# Allegro board LAY-29615_B4.brd (continued)
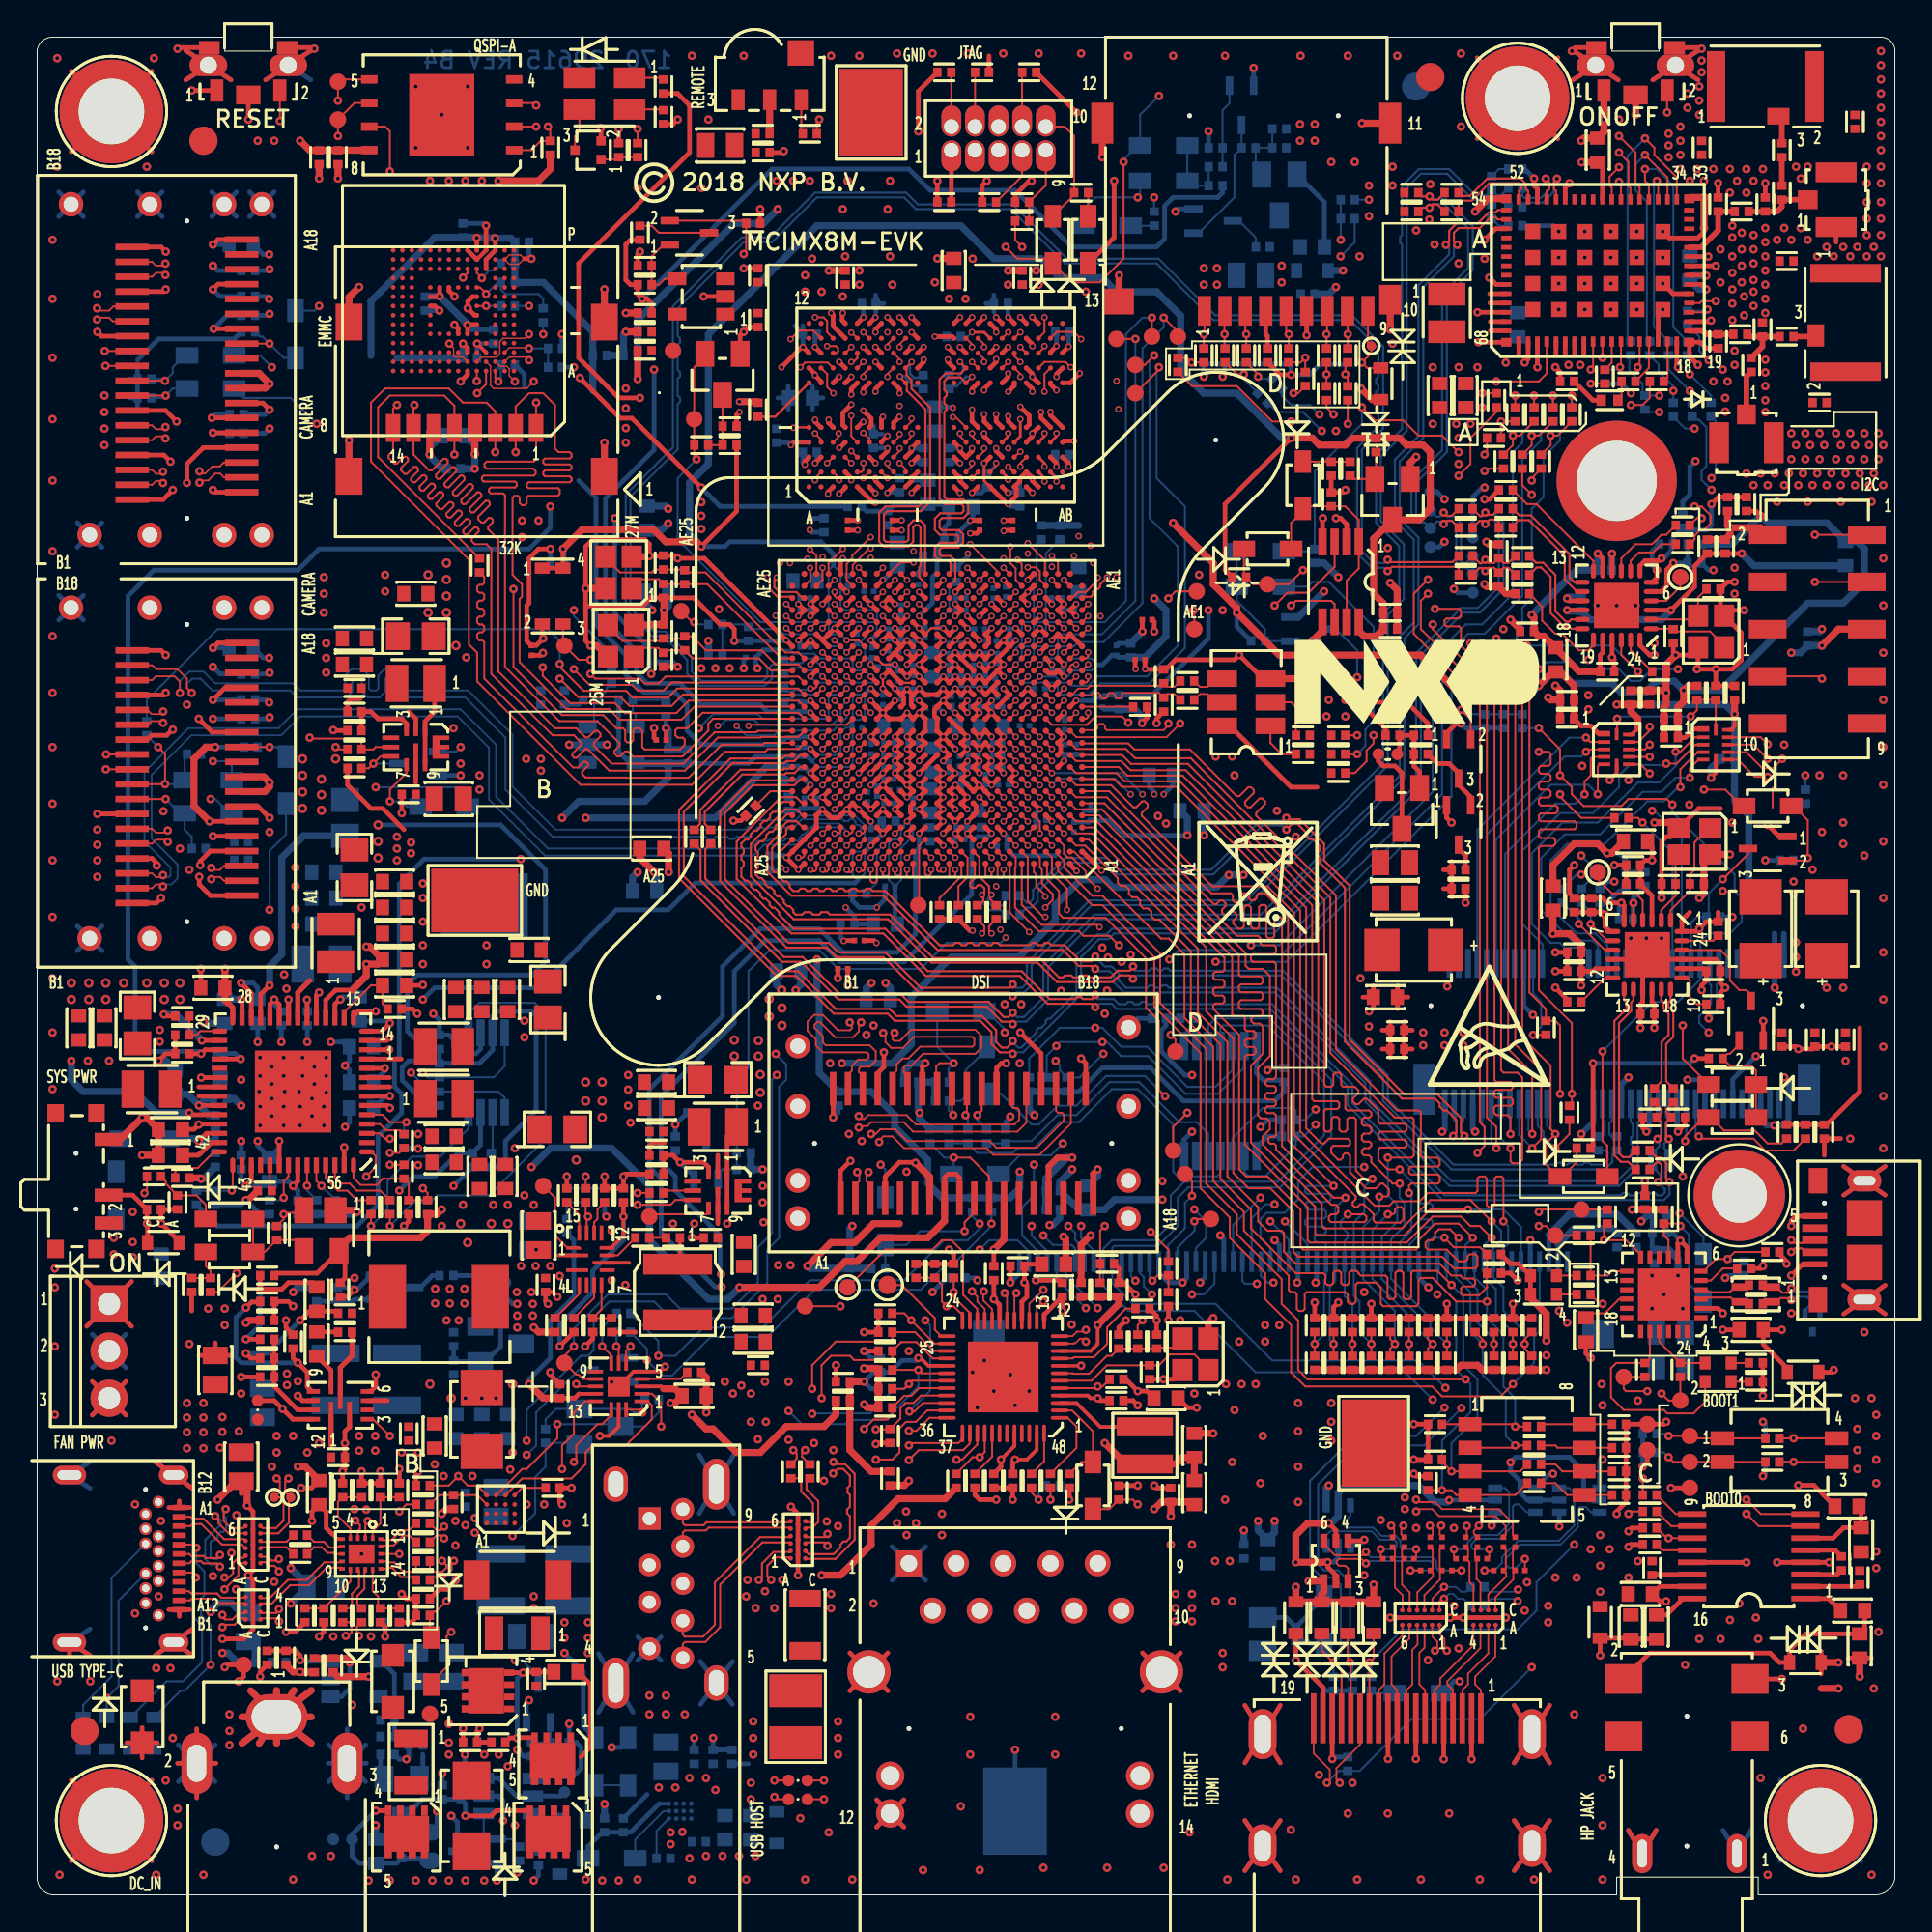
[diagram p0: board, top side]
## Routing (per net, layer and track width the routed paths; a pad name or vN(x,y) marks a point on that pad's centre or on a via; arc(x,y) is an arc through that point) (continued)
  BOTTOM w0.107: D1510.C 45.66,39.05 v1(45.4,39.31)
SPDIF_EXT_CLK: length 27.7
  TOP w0.107: U101.E6 v2(53.32,57.78) ; v1(59.94,35.68) 60.9,34.73 R1802.2
  L8_INT_3 w0.076: v2(53.32,57.78) 53.32,57.64 53.65,57.32 53.65,56.2 54.16,55.69 54.32,55.69 57.12,52.89 57.59,52.89 59.45,51.04 59.45,49.14 59.75,48.83 59.75,35.87 v1(59.94,35.68)
SPDIF_RX: length 32.1
  TOP w0.107: U101.G6 v2(53.32,59.08)
  L8_INT_3 w0.076: v2(53.32,59.08) 53.32,58.94 53.65,58.61 53.65,58.3 54.49,57.46 54.75,57.46 54.95,57.27 54.95,56.94 60.13,51.75 60.13,49.72 60.51,49.34 60.51,43.88 61.28,43.12 61.28,42.73 60.9,42.35 60.9,38.92 61.02,38.8 61.02,34.96 v1(59.12,33.06)
  BOTTOM w0.107: J1801.48 58.88,33.3 v1(59.12,33.06)
SPDIF_TX: length 35
  TOP w0.107: U101.F6 v2(53.32,58.43)
  L8_INT_3 w0.076: v1(60.01,32.32) 59.49,31.81 59,31.81 58.61,32.19 58.61,33.34 60.51,35.24 60.51,35.88 60.13,36.26 60.13,39.05 60.51,39.43 60.51,42.48 60.13,42.86 60.13,49.08 59.78,49.44 59.78,51.47 57.59,53.66 56.83,53.66 54.3,56.19 54.3,57.27 53.32,58.24 v2(53.32,58.43)
  BOTTOM w0.107: v1(60.01,32.32) 59.58,32.75 59.58,33.26 59.38,33.46 J1801.47
SSRXN1: length 19.7
  TOP w0.109: U903.A2 11.16,15.17 10.86,15.17 10.51,14.83 10.1,14.83 9.97,14.96 v1(9.97,15.07)
  L8_INT_3 w0.089: J901.B10 5.4,20.13 4.64,20.13 4,19.49 4,19.18 4.13,19.06 4.13,18.75 4,18.62 4,18.31 4.13,18.18 4.13,17.87 4,17.74 4,17.43 4.13,17.31 4.13,17 4,16.87 4,16.56 4.13,16.43 4.13,16.12 4,16 4,12.89 5.4,11.49 7.45,11.49 9.09,13.12 9.09,14.39 9.48,14.79 9.75,14.79 9.97,15.01 v1(9.97,15.07)
SSRXN2: length 3.7
  TOP w0.109: U903.A4 11.18,15.99 9.91,15.99 9.68,16.23 8.29,16.23 8.16,16.35 J901.A10
SSRXP1: length 19.8
  TOP w0.109: v1(9.97,14.41) 10.1,14.54 10.63,14.54 10.98,14.89 11.16,14.89 U903.A1
  L8_INT_3 w0.089: v1(9.97,14.41) 9.84,14.54 9.59,14.54 9.33,14.29 9.33,13.02 7.56,11.24 5.3,11.24 3.75,12.79 3.75,19.6 4.54,20.38 5.72,20.38 J901.B11
SSRXP2: length 3.7
  TOP w0.109: U903.A3 11.14,15.71 9.8,15.71 9.56,15.94 8.32,15.94 8.23,15.85 J901.A11
SSTXN1: length 4.2
  TOP w0.109: U902.A3 11.02,18.86 9.94,18.86 8.84,19.96 8.35,19.96 8.25,19.85 7.65,19.85 J901.A3
SSTXN2: length 15.5
  TOP w0.109: U902.A1 10.94,17.86 10.83,17.75 10.83,17.2 v1(10.08,16.45)
  L8_INT_3 w0.089: v1(10.08,16.45) 8.95,16.45 8.7,16.19 8.7,13.27 8.06,12.64 5.02,12.64 4.51,13.14 4.51,16.04 4.92,16.45 5.79,16.45 J901.B3
SSTXP1: length 4.1
  TOP w0.109: J901.A2 8.25,20.35 8.35,20.25 8.96,20.25 10.06,19.15 11.14,19.15 11.22,19.07 U902.A4
SSTXP2: length 15.5
  TOP w0.109: v1(10.08,17.08) 10.31,17.08 10.55,17.31 10.55,17.87 10.82,18.15 11.11,18.15 11.22,18.26 U902.A2
  L8_INT_3 w0.089: J901.B2 5.34,16.2 5.02,16.2 4.76,15.94 4.76,15.48 4.89,15.35 4.89,15.18 4.76,15.05 4.76,14.86 4.89,14.73 4.89,14.54 4.76,14.41 4.76,14.16 4.89,14.03 4.89,13.78 4.76,13.65 4.76,13.24 5.12,12.88 7.96,12.88 8.45,13.37 8.45,14.54 8.32,14.67 8.32,14.87 8.45,15 8.45,15.42 8.32,15.56 8.32,15.74 8.45,15.88 8.45,16.3 8.85,16.69 9.7,16.69 v1(10.08,17.08)
SYS_NRST: length 65.8
  TOP w0.107: R713.1 5.91,37.91 v1(5.78,37.78) ; SW1702.2 v1(13.07,95.49)
  L6_INT_2 w0.076: v1(13.07,95.49) 13.52,95.03 13.52,90.61 10.86,87.95 10.86,86.68 5.27,81.09 5.27,77.41 4.63,76.77 4.63,63.05 5.14,62.55 5.14,50.86 6.39,49.62 6.39,47.21 6.62,46.98 6.79,46.98 7.05,46.72 7.05,44.64 6.29,43.88 6.29,38.28 v1(5.78,37.78)
TCPC_NINT: length 46
  TOP w0.107: U907.10 29.38,27.77 29.15,28 29.02,28 TP901.1 28.38,29.02 v1(28.89,29.53) ; U101.F21 v2(42.93,58.43)
  L6_INT_2 w0.076: v2(42.93,58.43) 42.54,58.05 40.91,58.05 38.16,55.31 38.16,46.8 38.34,46.62 38.34,44.92 38.62,44.64 39.18,44.64 39.69,44.13 v1(39.81,44.13)
  BOTTOM w0.107: v1(28.89,29.53) 28.89,30.49 30.73,32.32 33.84,32.32 34.61,31.56 37.4,31.56 38.8,32.96 38.8,34.86 39.56,35.62 39.56,43.88 v1(39.81,44.13)
TEST_MODE: length 7.3
  TOP w0.107: U101.V7 v2(52.67,66.88)
  BOTTOM w0.102: R417.1 53.81,72.74 53.81,70.57 53.65,70.42 53.65,68.66 53.5,68.51 53.14,68.51 53,68.37 53,67.4 52.67,67.08 v2(52.67,66.88)
UART1_RXD: length 46.5
  TOP w0.107: v1(80.83,36) 81.22,36 TP1703.1 R1714.2 ; U101.C7 v2(52.67,56.48)
  L6_INT_2 w0.076: v2(52.67,56.48) 52.67,55.66 53,55.33 53,51.65 53.78,50.86 53.78,47.43 55.31,45.91 55.31,44.51 56.02,43.8 59.68,43.8 60.51,44.64 63.31,44.64 68.26,39.69 69.02,39.69 73.85,34.86 78.55,34.86 79.69,36 v1(80.83,36)
UART1_RXD_MCU: length 4.2
  TOP w0.107: R1714.1 R1707.1 84.54,33.34 84.77,33.57 U1701.13
UART1_TXD: length 45.1
  TOP w0.107: R1715.2 84.51,36.89 TP1702.1 80.96,36.89 v1(80.83,36.77) ; U101.A7 52.35,52.88 v2(53.4,51.83)
  L6_INT_2 w0.076: v2(53.4,51.83) 54.16,51.07 54.16,47.69 55.69,46.16 55.69,44.77 56.35,44.11 59.47,44.11 60.39,45.02 63.56,45.02 68.39,40.19 72.83,40.19 75.63,37.4 80.2,37.4 v1(80.83,36.77)
UART1_TXD_MCU: length 7.7
  TOP w0.107: R1708.1 84.13,31.81 v1(84.26,31.81) ; R1715.1 84.34,35.96 v1(84.34,35.24) 85.53,35.24 86.32,34.46 U1701.12
  L6_INT_2 w0.076: v1(84.26,31.81) 84.34,31.89 v1(84.34,35.24)
UART2_RXD: length 57.9
  TOP w0.107: U101.B6 53.33,55.83 53.33,53.48 54.16,52.64 v2(54.27,52.64) ; v1(87.44,26.99) 87.82,26.61 TP1706.1 R1712.2
  L6_INT_2 w0.076: v1(87.44,26.99) 87.44,27.11 83.76,30.8 83.76,37.15 82.49,38.42 76.14,38.42 73.6,40.96 68.64,40.96 63.82,45.78 60.26,45.78 59.24,44.77 57.21,44.77 56.96,45.02 56.96,45.53 56.5,45.99 56.5,47.26 55.69,48.07 55.69,51.22 v2(54.27,52.64)
UART2_RXD_CPU: length 3.5
  TOP w0.107: D1702.4 88.46,28.63 R1712.1 87.32,29.77 U1701.21
UART2_TXD: length 59.6
  TOP w0.107: U101.D6 v2(52.67,57.13) ; R1713.2 85.41,27.88 TP1705.1 85.41,27.24 85.53,27.11 v1(86.68,27.11)
  L6_INT_2 w0.076: v2(52.67,57.13) 52.67,56.94 53,56.62 53,56.6 53,56.6 53,55.97 53.4,55.56 53.4,52.39 54.55,51.24 54.55,47.81 56.07,46.29 56.07,45.91 56.63,45.35 56.63,44.72 56.91,44.44 59.42,44.44 60.39,45.4 63.69,45.4 68.52,40.58 73.09,40.58 75.75,37.91 82.36,37.91 83.25,37.02 83.25,30.54 v1(86.68,27.11)
UART2_TXD_CPU: length 12.1
  TOP w0.107: U1701.20 86.82,28.9 R1713.1 85,28.63 84.72,28.35 84.72,26.78 85.41,26.1 87.57,26.1 87.74,25.92 89.17,25.92 89.79,26.54 D1702.2
UART3_CTS: length 73.5
  TOP w0.107: U101.B4 54.63,55.83 54.63,54.97 55.43,54.16 v2(55.43,53.02)
  L6_INT_2 w0.076: v1(88.96,80.96) 88.71,80.71 88.71,78.83 90.11,77.43 90.11,76.9 90.61,76.39 90.61,72.96 90.87,72.71 90.87,71.31 90.23,70.67 90.23,66.99 90.87,66.36 90.87,63.18 91.25,62.8 91.25,59.63 87.82,56.2 85.28,56.2 84.95,56.53 77.86,56.53 72.41,51.07 66.19,51.07 63.94,48.83 58.48,48.83 58.1,49.21 56.7,49.21 56.2,49.72 56.2,52.26 v2(55.43,53.02)
  BOTTOM w0.107: R1448.2 89.09,80.83 v1(88.96,80.96) 87.82,82.1 R1313.1
UART3_RTS: length 69.2
  TOP w0.107: U101.D4 v2(54.62,57.13)
  L6_INT_2 w0.076: v2(54.62,57.13) 54.98,56.78 55.38,56.78 55.69,57.09 58.36,57.09 59.24,56.2 65.85,56.2 66.36,55.69 69.15,55.69 74.36,60.9 78.04,60.9 80.58,63.44 83.12,63.44 v1(83.5,63.82)
  L8_INT_3 w0.076: v1(88.96,81.85) 88.51,81.39 88.51,80.76 88.02,80.28 87.12,80.28 86.54,79.69 84.26,79.69 84.01,79.44 79.44,79.44 79.06,79.82 78.55,79.82 77.02,78.29 77.02,73.09 77.79,72.33 79.31,72.33 81.85,69.79 81.85,69.02 84.01,66.86 84.01,64.32 v1(83.5,63.82)
  BOTTOM w0.107: R1312.1 88.84,81.98 v1(88.96,81.85) 90.11,80.71 R1449.2
UART3_RXD: length 68.3
  TOP w0.107: U101.A6 53,53.3 54.08,52.22 57.06,52.22 v2(57.19,52.09)
  L6_INT_2 w0.076: v2(57.19,52.09) 71.77,52.09 77.05,57.37 85.76,57.37 85.91,57.21 87.57,57.21 88.45,58.1 88.45,58.86 89.47,59.88 89.47,64.83 88.84,65.47 88.84,68.44 89.22,68.82 89.22,73.72 88.79,74.15 88.79,77.81 87.82,78.78 87.82,80.2 v1(87.31,80.71)
  BOTTOM w0.107: R1315.1 85.71,82.8 85.71,82.05 86.42,81.34 86.42,80.83 R1447.2 86.56,80.71 v1(87.31,80.71)
UART3_TXD: length 71.5
  TOP w0.107: v1(58.23,51.12) 57.72,51.62 56.32,51.62 56.07,51.88 53.91,51.88 52.64,53.15 52.64,55.27 52.68,55.31 52.68,55.83 U101.B7
  L6_INT_2 w0.076: v1(58.23,51.12) 58.77,51.66 72.23,51.66 77.53,56.96 85.15,56.96 85.41,56.7 87.69,56.7 90.61,59.63 90.61,62.55 90.23,62.93 90.23,65.34 89.85,65.72 89.85,68.64 89.72,68.77 89.72,72.07 90.11,72.45 90.11,74.23 89.7,74.64 89.7,77.38 88.33,78.75 88.33,80.71 v1(88.07,80.96)
  BOTTOM w0.107: R1314.1 87.29,82.39 87.29,82 88.07,81.22 v1(88.07,80.96) R1446.2
USB1_DN: length 66.1
  TOP w0.109: U902.C5 12.98,19.46 13.55,20.03 13.55,21.3 TP1708.1 13.35,21.7 13.35,22.24 v1(13.52,22.41) ; U101.B14 v2(48.12,55.83)
  L8_INT_3 w0.089: v1(13.52,22.41) 13.52,23.43 16.32,26.22 16.32,28.64 20.76,33.08 27.02,33.08 27.47,32.63 28.82,32.63 29.91,33.72 34.61,33.72 36,35.11 41.46,35.11 42.35,36 42.35,36.64 43.75,38.04 45.25,38.04 47.43,40.22 47.43,41.46 47.05,41.85 47.05,42.35 48.58,43.88 48.58,44.89 49.34,45.66 49.34,50.45 48.45,51.34 48.45,55.51 v2(48.12,55.83)
USB1_DP: length 66.1
  TOP w0.102: U101.A14 47.8,54.95 47.87,54.88 48.03,54.88 48.12,54.97 v2(48.12,55.18)
  TOP w0.109: v1(12.89,22.41) 13.06,22.24 13.06,21.7 TP1707.1 13.05,21.4 13.26,21.19 13.26,20.15 12.86,19.75 12.13,19.75 U902.C6
  L8_INT_3 w0.089: v1(12.89,22.41) 13.28,22.8 13.28,23.53 16.07,26.33 16.07,28.74 20.66,33.33 27.12,33.33 27.57,32.88 28.72,32.88 29.8,33.97 34.5,33.97 35.9,35.36 41.36,35.36 42.11,36.11 42.11,36.74 43.65,38.28 45.15,38.28 47.19,40.32 47.19,41.36 46.8,41.74 46.8,42.46 48.33,43.98 48.33,45 49.09,45.76 49.09,50.35 48.2,51.24 48.2,55.11 v2(48.12,55.18)
USB1_ID: length 3.7
  TOP w0.107: TP501.1 47.47,53.32 47.47,56.48 U101.C14
USB1_RXN: length 56.2
  TOP w0.109: C920.1 21.5,19.35 21.75,19.35 v1(21.91,19.19) ; U101.B12 v2(49.42,55.83)
  L8_INT_3 w0.089: v1(21.91,19.19) 22.1,19.38 22.58,19.38 23.35,18.61 24.2,18.61 25.46,19.87 25.46,20.76 29.91,25.21 32.93,25.21 33.44,25.72 34.48,25.72 36.89,28.13 37.91,28.13 48.86,39.08 48.86,42.15 50.86,44.16 50.86,50.74 49.85,51.75 49.85,54.04 50.1,54.29 50.1,55.16 v2(49.42,55.83)
USB1_RXP: length 56.1
  TOP w0.102: U101.A12 49.1,54.87 49.17,54.8 49.33,54.8 49.42,54.9 v2(49.42,55.18)
  TOP w0.109: v1(21.91,19.82) 21.72,19.63 21.51,19.63 C919.1
  L8_INT_3 w0.089: v2(49.42,55.18) 49.5,55.26 49.65,55.26 49.85,55.05 49.85,54.4 49.6,54.14 49.6,51.65 50.61,50.63 50.61,44.26 48.61,42.26 48.61,39.18 37.81,28.38 36.79,28.38 34.38,25.97 33.33,25.97 32.82,25.46 29.8,25.46 25.21,20.87 25.21,19.98 24.09,18.86 23.46,18.86 22.68,19.63 22.1,19.63 v1(21.91,19.82)
USB1_SS_SEL: length 68
  TOP w0.107: v1(22.29,14.16) 22.03,13.91 22.03,12.25 21.22,11.44 D901.C ; U101.K19 v2(44.23,61.03)
  L6_INT_2 w0.076: v1(26.35,24.45) 26.81,23.99 26.81,22.36 24.7,20.26 24.7,16.57 v1(22.29,14.16) ; v1(39.76,45.27) 39.76,46.22 38.92,47.05 38.92,54.91 41.51,57.49 43.14,57.49 43.9,58.25 43.9,59.22 44.09,59.41 44.36,59.41 44.55,59.6 44.55,60.71 v2(44.23,61.03)
  BOTTOM w0.107: v1(39.76,45.27) 40.32,44.7 40.32,43.88 39.94,43.5 39.94,35.37 39.31,34.73 39.31,32.96 37.4,31.05 34.1,31.05 33.21,31.94 30.8,31.94 29.96,31.1 29.96,29.32 29.65,29.02 29.27,29.02 26.35,26.1 v1(26.35,24.45)
USB1_TXN: length 58.2
  TOP w0.109: C918.1 21.29,17.11 21.93,17.11 22.31,17.49 22.31,17.86 v1(22.43,17.98) ; U101.B13 v2(48.77,55.83)
  L8_INT_3 w0.089: v1(22.43,17.98) 22.22,18.19 22.22,18.48 21.97,18.73 21.62,18.73 21.32,19.03 21.32,20.69 21.79,21.15 24.83,21.15 29.65,25.97 31.69,25.97 32.7,26.99 34.48,26.99 37.53,30.03 38.9,30.03 48.19,39.33 48.19,42.48 50.1,44.39 50.1,50.61 49.1,51.61 49.1,55.51 v2(48.77,55.83)
USB1_TXP: length 57.8
  TOP w0.102: U101.A13 48.45,55.15 48.52,55.08 48.7,55.08 48.77,55.15 v2(48.77,55.18)
  TOP w0.109: C917.1 21.14,17.53 21.27,17.39 21.81,17.39 22.03,17.61 22.03,17.76 v1(21.8,17.98)
  L8_INT_3 w0.089: v1(21.8,17.98) 21.97,18.16 21.97,18.37 21.86,18.48 21.52,18.48 21.07,18.93 21.07,20.79 21.68,21.4 24.73,21.4 29.55,26.22 31.58,26.22 32.6,27.24 34.38,27.24 37.42,30.28 38.79,30.28 47.94,39.43 47.94,42.58 49.85,44.49 49.85,50.51 48.85,51.51 48.85,55.11 v2(48.77,55.18)
USB1_VBUS: length 78.1
  TOP w0.254: U101.D14 v2(47.48,57.13)
  TOP w0.381: R939.1 R934.2 16.6,12.73 v1(16.83,12.51)
  L8_INT_3 w0.254: v1(16.83,12.51) 17.21,12.51 17.84,13.14 19.75,13.14 20.51,13.91 20.51,21.14 21.4,22.03 23.94,22.03 24.7,22.8 24.7,24.19 26.35,25.84 28.13,25.84 29.02,26.73 31.3,26.73 32.45,27.88 34.1,27.88 36.84,30.62 v1(36.84,32.73)
  BOTTOM w0.254: v1(36.84,32.73) 36.49,32.73 33.59,35.62 33.59,38.54 32.96,39.18 32.96,43.37 36.89,47.31 36.89,49.97 38.92,52.01 42.1,52.01 43.37,50.74 46.29,50.74 47.28,51.73 47.28,56.17 47.48,56.37 v2(47.48,57.13) ; U909.1 16.38,10.67 16.83,11.11 v1(16.83,12.51)
USB2_DN: length 5.4
  TOP w0.114: R926.1 51.3,53.6 51.3,53.76 v2(51.37,53.83) 51.24,53.96 51.24,54.29 50.72,54.81 50.72,55.83 U101.B10
  BOTTOM w0.114: v2(51.37,53.83) 51.17,53.64 51.17,53.47 51.39,53.25 52.02,53.25 52.14,53.37 R1417.1
USB2_DP: length 5.4
  TOP w0.114: R927.1 50.7,53.27 50.94,53.5 50.94,53.76 v2(50.86,53.83) 50.99,53.96 50.99,54.19 50.82,54.35 50.64,54.35 50.5,54.21 50.34,54.21 50.23,54.32 50.23,54.48 50.47,54.72 50.47,55.44 U101.A10
  BOTTOM w0.114: R1418.1 51.91,53 51.29,53 50.92,53.37 50.92,53.78 v2(50.86,53.83)
USB2_ID: length 34.2
  TOP w0.107: U101.C9 v2(50.72,56.48) ; TP502.1 v1(43.24,31.69)
  L6_INT_2 w0.076: v2(50.72,56.48) 50.72,54.23 50.44,53.95 50.44,53.11 49.59,52.26 49.59,46.67 52.01,44.26 52.39,44.26 v1(52.89,44.77)
  L8_INT_3 w0.076: v1(43.24,31.69) 50.99,39.43 50.99,39.94 51.96,40.91 51.96,42.43 52.89,43.37 v1(52.89,44.77)
USB2_RXN: length 46.3
  TOP w0.109: U101.B8 v2(52.02,55.83) ; U908.C3 41.41,18.97 42.37,18.97 v1(42.54,18.8)
  L8_INT_3 w0.089: v1(42.54,18.8) 42.68,18.94 43.42,18.94 43.87,19.39 43.87,30.28 50.18,36.59 52.31,36.59 54.39,38.67 54.39,51.88 53.65,52.62 53.65,53.54 53.02,54.16 53.02,54.77 52.02,55.77 v2(52.02,55.83)
USB2_RXP: length 46.3
  TOP w0.102: U101.A8 51.7,54.82 51.77,54.75 51.93,54.75 52.02,54.84 v2(52.02,55.18)
  TOP w0.109: v1(42.54,19.43) 42.37,19.26 41.41,19.26 U908.C4
  L8_INT_3 w0.089: v2(52.02,55.18) 52.26,55.18 52.77,54.67 52.77,54.06 53.4,53.43 53.4,52.51 54.14,51.78 54.14,38.77 52.2,36.84 50.07,36.84 43.62,30.39 43.62,19.49 43.31,19.18 42.79,19.18 v1(42.54,19.43)
USB2_TXN: length 40
  TOP w0.109: C921.1 41.18,23.59 41.18,23.78 v1(41.34,23.94) ; U101.B9 v2(51.37,55.83)
  L8_INT_3 w0.089: v2(51.37,55.83) 51.37,55.69 51.7,55.36 51.7,55.03 52.26,54.47 52.26,53.78 53,53.05 53,50.74 53.71,50.03 53.71,43.04 53.15,42.48 53.15,40.99 51.87,39.71 51.87,38.67 50.48,37.27 49.85,37.27 41.14,28.57 41.14,24.13 v1(41.34,23.94)
USB2_TXP: length 40.1
  TOP w0.102: v2(51.37,55.18) 51.37,54.9 51.28,54.8 51.12,54.8 51.05,54.87 U101.A9
  TOP w0.109: C922.1 40.89,23.48 40.89,23.75 v1(40.7,23.94)
  L8_INT_3 w0.089: v1(40.7,23.94) 40.9,24.13 40.9,28.68 49.74,37.52 50.38,37.52 51.62,38.77 51.62,39.81 52.9,41.09 52.9,42.58 53.46,43.14 53.46,49.93 52.75,50.64 52.75,52.94 52.01,53.68 52.01,54.37 51.45,54.93 51.45,55.11 v2(51.37,55.18)
USB2_VBUS: length 89.6
  TOP w0.254: U101.D9 v2(51.37,57.13)
  L6_INT_2 w0.254: v1(36.38,8.44) 35.75,9.08 32.45,9.08 31.81,9.71 30.03,9.71 28.38,11.37 25.84,11.37 24.32,12.89 22.41,12.89 21.34,13.97 21.34,15.49 18.73,18.1 18.73,20.76 20,22.03 21.37,22.03 v1(21.88,22.54)
  L8_INT_3 w0.254: v1(21.88,22.54) 21.88,22.77 23.18,24.07 23.18,24.19 25.84,26.86 27.62,26.86 28.89,28.13 31.3,28.13 36.59,33.41 v1(36.82,33.41)
  BOTTOM w0.254: v1(36.38,8.44) R921.2 R938.2 ; v1(36.82,33.41) 36.77,33.46 36.77,35.5 34.35,37.91 34.35,38.67 33.59,39.43 33.59,42.99 37.53,46.93 37.53,49.72 39.18,51.37 42.1,51.37 43.24,50.23 46.67,50.23 50.3,53.86 50.3,56.65 50.61,56.96 51.2,56.96 v2(51.37,57.13)
USB_DBG_DM: length 2.8
  TOP w0.109: U1701.4 89.86,32.57 89.99,32.44 91.11,32.44 91.4,32.72 L1703.2 91.78,32.83 R1706.2
USB_DBG_DM_CN: length 10.3
  TOP w0.109: v1(94.42,32.65) 94.19,32.41 93.95,32.41 93.64,32.72 L1703.1 93.26,32.83 R1706.1 ; v1(94.42,34.61) 94.62,34.8 94.99,34.8 95.2,34.59 J1701.2
  L8_INT_3 w0.089: v1(94.42,34.61) 94.04,34.99 93.89,34.99 93.63,34.73 93.63,34.51 93.74,34.4 93.74,34.21 93.63,34.1 93.63,33.72 93.74,33.61 93.74,33.41 93.63,33.31 93.63,32.99 93.74,32.88 93.74,32.72 93.63,32.61 93.63,32.45 93.82,32.27 94.04,32.27 v1(94.42,32.65)
  BOTTOM w0.109: v1(94.42,32.65) 94.59,32.48 95.37,32.48 95.71,32.14 95.71,31.72 95.97,31.46 D1701.2
USB_DBG_DP: length 2.8
  TOP w0.109: U1701.3 89.86,32.07 89.94,32.15 91.16,32.15 91.4,31.92 L1703.3 91.78,31.81 R1701.2
USB_DBG_DP_CN: length 10
  TOP w0.109: v1(94.42,35.24) 94.58,35.09 95.03,35.09 95.19,35.24 J1701.3 ; R1701.1 93.26,31.81 L1703.4 93.64,31.92 93.85,32.13 94.31,32.13 v1(94.42,32.02)
  L8_INT_3 w0.089: v1(94.42,32.02) 93.71,32.02 93.38,32.35 93.38,34.84 93.79,35.24 v1(94.42,35.24)
  BOTTOM w0.109: v1(94.42,32.02) 94.6,32.19 95.25,32.19 95.42,32.02 95.42,31.75 95.17,31.49 D1701.1
USB_DN: length 15.9
  TOP w0.109: U902.A5 10.31,19.46 9.76,20.01 9.76,20.21 v1(9.59,20.38) ; v1(9.84,17.67) 9.66,17.84 8.95,17.84 8.84,17.96 8.3,17.96 8.2,17.85 J901.A7
  L8_INT_3 w0.089: v1(9.84,17.67) 10.93,17.67 11.24,17.97 11.24,18.73 10.86,19.11 9.21,19.11 8.96,19.36 7.85,19.36 6.99,18.5 J901.B7
  BOTTOM w0.109: v1(9.84,17.67) 9.71,17.79 9.32,17.79 9.05,18.07 9.05,19.11 9.89,19.94 9.89,20.16 9.67,20.38 v1(9.59,20.38)
USB_DP: length 15.9
  TOP w0.109: v1(9.84,18.3) 9.67,18.13 9.07,18.13 8.96,18.24 8.3,18.24 8.19,18.35 J901.A6 ; v1(10.15,20.76) 10.04,20.66 10.05,20.33 10.05,20.13 10.43,19.75 11.11,19.75 U902.A6
  L8_INT_3 w0.089: v1(9.84,18.3) 10.23,17.91 10.83,17.91 10.99,18.07 10.99,18.63 10.76,18.86 10.18,18.86 10.06,18.73 9.92,18.73 9.79,18.86 9.55,18.86 9.42,18.73 9.24,18.73 8.85,19.11 7.95,19.11 7.78,18.94 7.78,18.72 7.7,18.64 7.48,18.64 7.31,18.47 7.31,18.36 7.18,18.22 7.07,18.22 J901.B6
  BOTTOM w0.109: v1(9.84,18.3) 9.84,18.23 9.69,18.08 9.44,18.08 9.33,18.19 9.33,18.99 9.46,19.11 9.59,19.11 9.71,19.24 9.71,19.37 9.89,19.54 10.02,19.54 10.17,19.7 10.17,20.28 10.02,20.43 10.02,20.48 10.02,20.64 v1(10.15,20.76)
USB_HOST_DN: length 10.7
  TOP w0.109: v1(39.51,16.95) 39.31,17.16 39.31,17.72 39.76,18.17 40.5,18.17 U908.A1
  L8_INT_3 w0.089: v1(39.51,16.95) 39.28,17.18 39.28,17.49 38.93,17.84 34.25,17.84 33.26,16.85 33.04,16.85 32.96,16.94 J903.2
USB_HOST_DP: length 10.6
  TOP w0.109: U908.A2 40.5,18.46 39.64,18.46 39.02,17.84 39.02,17.12 v1(38.85,16.95)
  L8_INT_3 w0.089: J903.3 32.96,16.47 33.09,16.6 33.37,16.6 34.35,17.59 38.83,17.59 39.03,17.38 39.03,17.14 v1(38.85,16.95)
USB_HOST_RXN: length 10.2
  TOP w0.109: J903.5 34.76,13.5 34.87,13.61 35.96,13.61 36.77,14.41 36.77,16.7 39.04,18.97 40.5,18.97 U908.A3
USB_HOST_RXP: length 10.2
  TOP w0.109: J903.6 34.76,14.01 34.87,13.9 35.85,13.9 36.48,14.53 36.48,16.82 38.92,19.26 40.5,19.26 U908.A4
USB_HOST_TXN: length 6.7
  TOP w0.109: J903.8 34.76,19.5 34.87,19.61 36,19.61 36.15,19.77 40.5,19.77 U908.A5
USB_HOST_TXP: length 6.7
  TOP w0.109: J903.9 34.76,20.01 34.87,19.9 35.88,19.9 36.03,20.06 40.5,20.06 U908.A6
USB_HOST_VBUS:
  vias: v1(36,2.09) v1(36.89,2.09) v1(37.78,2.09) v1(38.67,2.09)
USB_LD_NFLT: length 13.4
  TOP w0.107: R920.2 22.16,22.03 v1(22.67,22.54) 23.18,22.03 23.68,22.03 U906.A4 ; v1(29.02,27.49) 29.15,27.37 U907.11
  L8_INT_3 w0.076: v1(22.67,22.54) 22.67,22.92 26.1,26.35 27.88,26.35 v1(29.02,27.49)
USB_VBUS: length 17
  TOP w0.203: U907.15 31.3,25.21 30.8,24.7 v1(30.29,24.7)
  TOP w0.254: R903.1 12,12.01 v1(12,11.75) ; v1(10.86,11.49) 11.11,11.75 TP1709.1 10.22,12.38 v1(10.1,12.25)
  L8_INT_3 w0.254: v1(30.29,24.7) 29.65,24.07 29.65,21.14 v1(28.51,20)
  BOTTOM w0.254: v1(28.38,13.02) 29.4,12 29.4,9.08 D903.A
  BOTTOM w0.381: C926.1 11.74,13.26 C903.1
  vias: v1(6.54,16.06) v1(6.67,20.13) v1(26.73,16.06) v1(26.73,15.43) v1(28.38,14.67) v1(28.38,13.83)
VCAM_1V5: length 0.9
  TOP w0.254: v1(20.46,47.43) 20.21,47.69 R725.2
VCAM_2V8: length 2.3
  TOP w0.254: C759.1 8.65,39.81 8.7,39.86 8.75,39.86 9.38,40.49 U702.41
VPCIE_3V3: length 49.1
  TOP w0.203: U1402.11 85.83,62.46 86.17,62.8 ; U1403.11 91.17,62.71 91.38,62.92 v1(91.38,63.56)
  TOP w0.254: 98.11,46.67 98.11,43.24 96.32,41.46 C1410.1 R1416.1 R1415.1 ; C1412.1 73.59,45.99 ; C1412.1 74.02,45.53 ; C1412.1 73.59,45.07 ; C1440.1 76.14,54.62 ; C1440.1 76.14,53.71 ; C1440.1 75.71,54.16 ; 75.71,55.18 R1462.1 ; R1462.1 76.14,55.64 ; R1462.1 76.14,54.72 ; C1414.1 73.59,47 ; C1414.1 73.59,46.09 ; C1414.1 74.02,46.54 ; C1416.1 73.23,48.95 ; C1416.1 73.23,47.7 ; C1416.1 73.79,48.32 ; C1442.1 72.2,61.02 72.45,60.77 73.09,60.77 73.47,60.39 Q1402.3
  TOP w0.381: C1434.1 C1433.1 ; C1433.1 85.79,63.69 86.17,63.31 86.17,62.8 ; C1433.1 v1(85.03,64.08) ; C1437.1 v1(91.38,63.56)
  BOTTOM w0.254: R1437.1 v1(91.25,52.64)
  BOTTOM w0.305: 93.53,51.74 J1401.72 93.53,48.84 v1(93.53,48.83) ; J1401.74 94.03,51.73
  BOTTOM w0.381: v1(85.03,64.08) 85.4,64.08 85.41,64.07 90.87,64.07 v1(91.38,63.56) 91.38,61.16 C1438.1 91.37,58.87 92.14,58.1 92.14,54.55 93.66,53.02
  vias: v1(74.61,46.42) v1(74.61,45.73) v1(75.75,46.42) v1(75.75,45.73) v1(75.91,48.91) v1(76.77,46.42) v1(76.77,45.73) v1(94.68,51.27) v1(94.68,50.48) v1(94.68,49.69) v1(96.33,48.83) v1(97.22,48.83)
VREF_1V2: length 4.8
  BOTTOM w0.254: U910.3 24.84,6.27 25.79,5.32 U910.5 28.18,5.32 C934.1
VREFDDR: length 79.9
  TOP w0.254: C768.1 v1(8.83,45.27) 9.04,45.49 U702.31 ; v1(29.21,81.66) 31.38,79.49 32.02,79.49 v1(35.75,75.75)
  L6_INT_2 w0.254: v1(27.62,74.74) 27.88,74.99 27.88,80.33 v1(29.21,81.66)
  BOTTOM w0.254: R215.2 36.77,74.74 v1(35.75,75.75) ; v1(27.62,74.74) 27.62,73.6 26.48,72.45 15.18,72.45 14.03,71.31 6.29,71.31 4.89,69.91 4.89,50.35 5.27,49.97 5.27,46.04 5.9,45.4 8.7,45.4 v1(8.83,45.27)
VSD_3V3: length 2.1
  TOP w0.254: J1601.4 66.14,84.01 66.23,83.92 C1605.1
  vias: v1(66.99,87.69) v1(66.99,86.8)
VSYS: length 2.6
  TOP w0.203: U706.2 28.08,34.43
  TOP w0.279: U701.1 15.82,24.2
  vias: v1(8.06,26.48) v1(8.06,25.69) v1(8.06,24.9) v1(8.06,24.04) v1(8.95,26.48) v1(8.95,25.69) v1(8.95,24.9) v1(8.95,24.04) v1(9.84,24.07) v1(9.97,25.72) v1(9.97,24.93) v1(10.86,24.95) v1(12.89,24.7) v1(12.89,23.81) v1(13.78,24.7) v1(14.54,23.81) v1(15.18,24.32) v1(26.05,33.84) v1(26.83,33.84) v1(26.86,34.73) v1(27.62,33.84) v1(46.29,20) v1(46.77,20.64) v1(46.8,19.37) v1(47.31,20) v1(48.7,20.51) v1(48.7,19.37) v1(61.28,16.19) v1(61.28,15.43) v1(61.28,14.72) v1(62.17,16.19) v1(62.17,15.43) v1(62.17,14.72) v1(81.34,15.56) v1(81.34,14.67) v1(83.63,18.6) v1(84.14,19.37) v1(84.14,17.72) v1(84.64,18.6)
VSYS_IN: length 8.2
  TOP w0.254: 29.27,7.43 29.78,7.94 29.78,11.33 C935.1
  BOTTOM w0.254: 20.76,7.56 20.76,6.43 Q902.2 ; R944.1 23.02,6.1 v1(23.02,7.56)
  vias: v1(22.16,9.21) v1(22.16,8.19) v1(22.16,7.56) v1(24.07,7.56) v1(24.85,7.56) v1(25.34,6.92)
VUSB_REG_3V45: length 4.8
  TOP w0.107: U1701.6 89.7,33.57 90.36,34.23 v1(90.99,34.23) 91.38,34.61 C1705.1
  BOTTOM w0.107: C1706.1 91.39,34.09 91.38,34.1 91.12,34.1 v1(90.99,34.23)
WIFI_PCIE_CLKN: length 32.3
  TOP w0.114: v1(75.71,73.8) 75.89,73.97 76.15,73.97 R1339.2 ; C1314.2 77.63,71.42 77.8,71.42 v1(77.95,71.26) 78.13,71.44 78.42,71.44 R1341.1 78.94,71.44 79.19,71.44 R1334.2 ; R1353.1 75.38,90.99 75.13,90.99 v1(74.95,90.82) 74.56,90.82 C1302.1
  BOTTOM w0.114: v1(77.95,71.26) 77.78,71.44 77.61,71.44 R1322.2 76.95,71.44 76.65,71.44 76.39,71.7 76.39,73.74 76.18,73.95 75.87,73.95 v1(75.71,73.8) 75.59,73.93 75.35,73.93 R1324.1 74.68,73.88 74.33,73.88 73.98,74.23 73.98,76.11 75.63,77.77 75.63,86.17 77.02,87.57 77.02,89.72 75.73,91.02 75.16,91.02 v1(74.95,90.82)
WIFI_PCIE_CLKP: length 32.4
  TOP w0.114: R1338.2 76.14,74.23 75.89,74.23 v1(75.71,74.41) ; C1313.2 77.67,71.67 77.76,71.67 v1(77.95,71.87) 78.13,71.69 78.42,71.69 R1340.1 78.94,71.69 79.19,71.69 R1333.2 ; R1352.1 75.38,91.25 75.13,91.25 v1(74.95,91.43) 74.56,91.43 C1301.1
  BOTTOM w0.114: v1(74.95,91.43) 75.11,91.27 75.84,91.27 77.28,89.83 77.28,87.46 75.88,86.06 75.88,77.66 74.23,76.01 74.23,74.34 74.43,74.13 74.62,74.13 R1325.1 75.32,74.18 75.49,74.18 v1(75.71,74.41) 75.92,74.21 76.29,74.21 76.64,73.85 76.64,71.81 76.76,71.69 76.92,71.69 R1323.2 77.63,71.69 77.78,71.69 v1(77.95,71.87)
WIFI_PCIE_NCLKREQ: length 27.5
  TOP w0.107: U1301.9 83.76,82.24 v1(83.63,82.1) ; v1(76.52,77.66) 75.63,78.55 74.36,78.55 73.53,79.37 72.01,79.37 v1(71.31,80.07)
  L6_INT_2 w0.076: v1(83.63,82.1) 83.25,81.72 79.82,81.72 78.68,80.58 78.68,79.82 v1(76.52,77.66)
  BOTTOM w0.107: D1303.C 68.65,72.33 R1343.2 68.77,76.64 71.31,79.18 v1(71.31,80.07)
WIFI_PCIE_REFCLK_N: length 5.1
  TOP w0.114: R1353.2 76.51,91.08 76.63,91.2 77.23,91.2 78.17,92.14 79.75,92.14 79.88,92 79.88,91.84 79.76,91.72 U1301.52
WIFI_PCIE_REFCLK_P: length 5.1
  TOP w0.114: R1352.2 76.69,91.45 77.12,91.45 78.06,92.39 79.85,92.39 80.14,92.11 80.14,91.84 80.26,91.72 U1301.51
